# KiCad board vancouver-skytrain-pcb.kicad_pcb (continued)
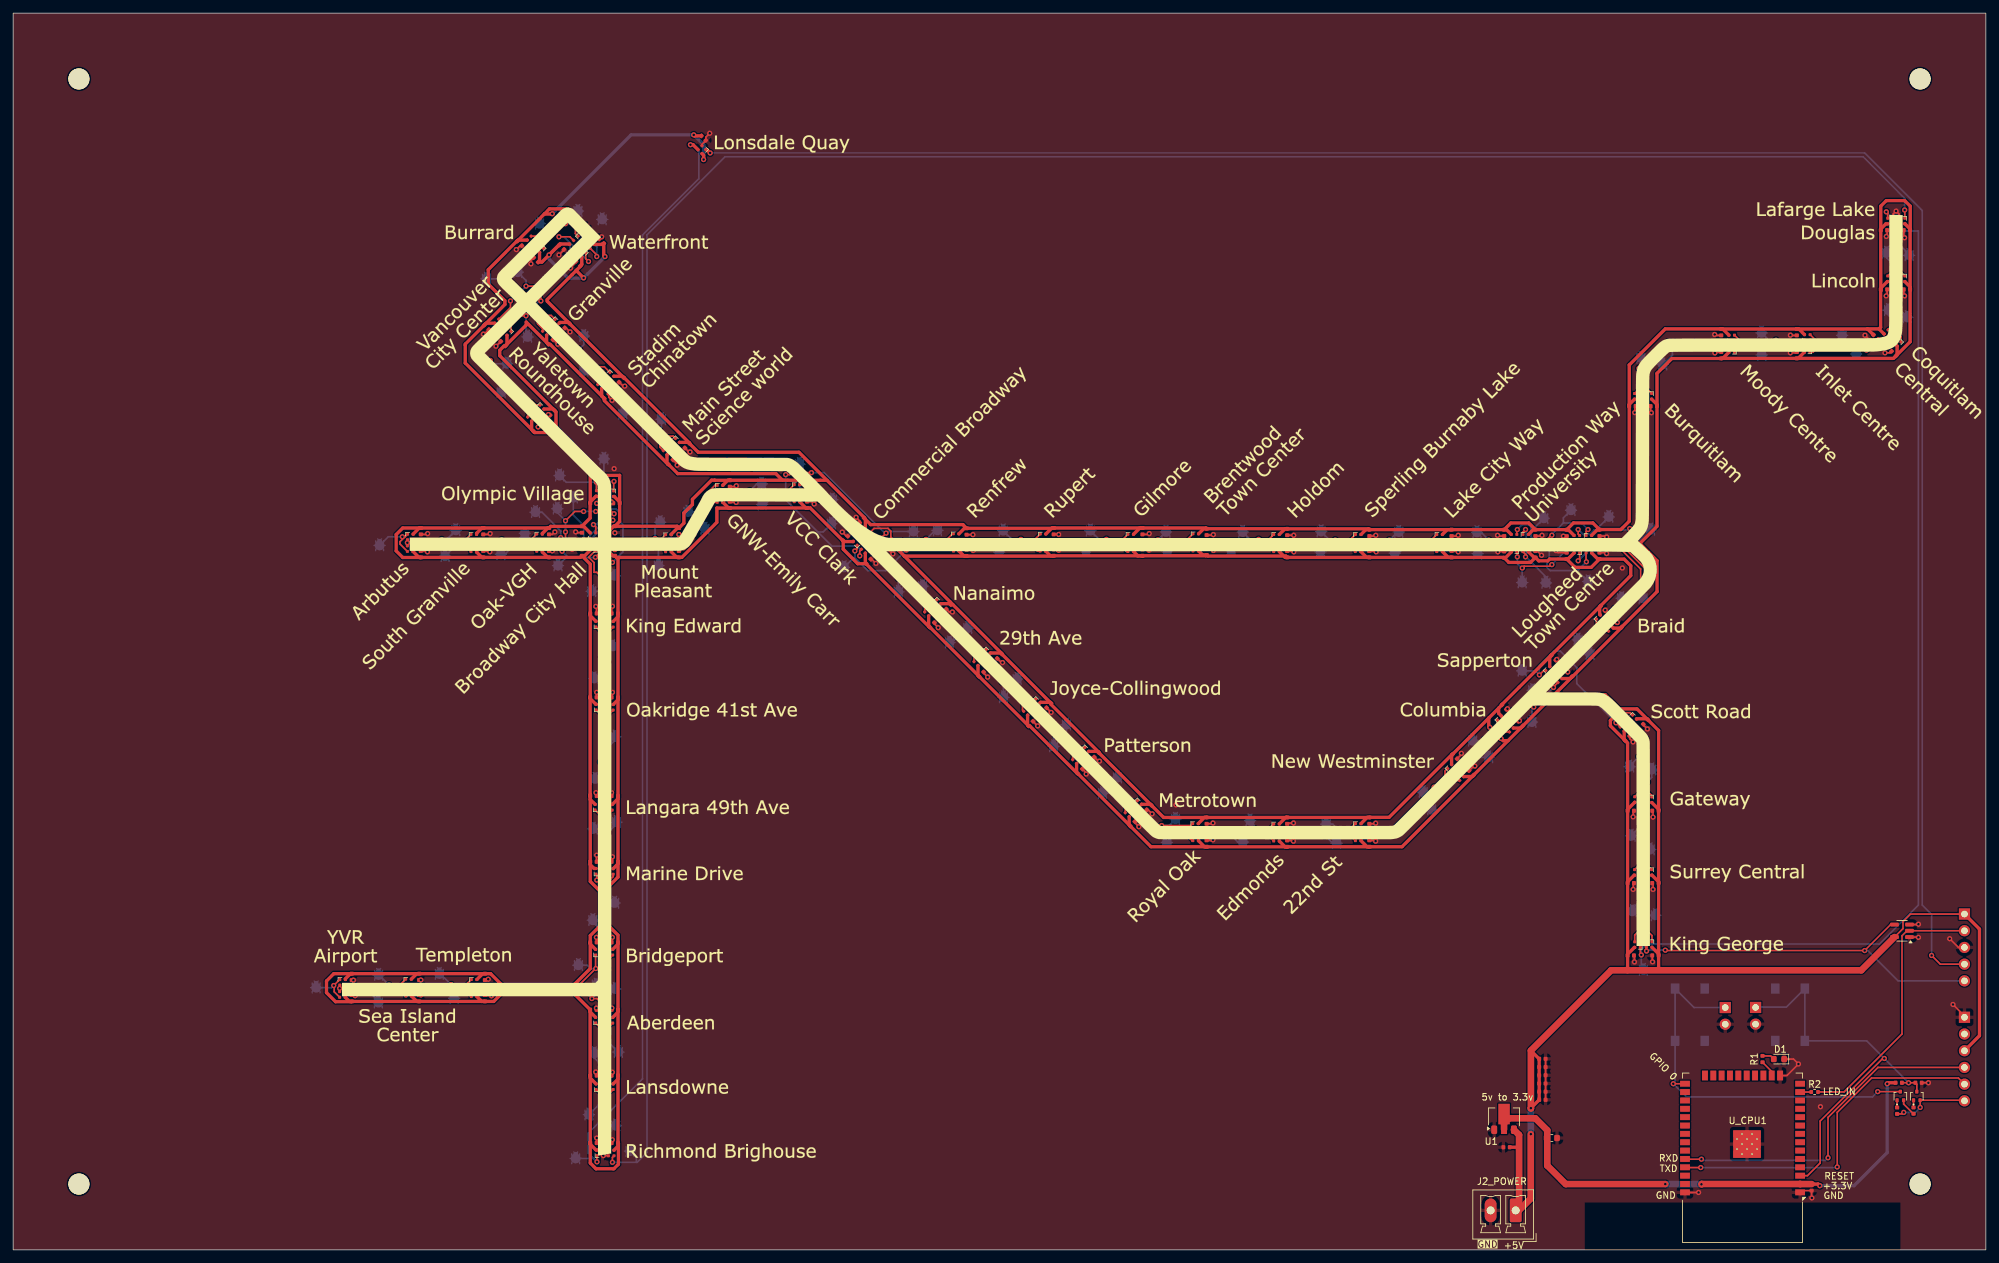
[diagram p0: board, top side]
## Routing (per net, layer and track width the routed paths; a pad name or vN(x,y) marks a point on that pad's centre or on a via; arc(x,y) is an arc through that point) (continued)
GND: length 228.3
  Top w0.25: C44.2 82.01,108.77 v1(82.38,109.14) ; LED121.3 49.65,40.22 LED120.3 ; LED52.3 273.27,137.38 LED91.3 273.58,137.35 v1(273.8,137.57) ; C73.2 158.99,108.77 v1(159,108.75) ; LED69.3 LED74.3 ; C39.2 71.64,139.2 v1(71.52,139.2) ; v1(148.2,87.07) 147.59,87.67 C15.2 ; v1(85,106.48) C75.2 ; C46.2 249.39,66.63 v1(249.39,65.78) ; C27.2 83.77,152.02 v1(83,151.25) ; LED17.3 89.7,132.8 v1(88.97,133.53) 88.97,132.91 89.5,132.39 LED24.3 ; v1(256.31,8.72) 254.27,8.72 U_CPU1.38 ; C53.2 155.11,80.34 v1(155.81,79.65) ; v1(207.21,64.86) 207.12,64.76 C60.2 ; v1(232.43,105.59) 231.8,106.22 C110.2 ; LED124.3 v1(89.75,34.5) 89.78,34.47 LED97.3 ; LED43.3 LED38.3 241.87,94.65 v1(241.75,94.77) ; LED28.3 v1(146.97,90.28) 147.35,90.65 LED13.3 ; C125.2 270.31,139.01 v1(270.28,139.05) ; C122.2 243.93,95.34 v1(243.96,95.37) ; C47.2 246.36,66.63 v1(246.36,65.82) ; LED33.3 v1(191.7,63.5) LED8.3 ; v1(248.53,79.18) 247.91,79.8 C48.2 ; v1(248.24,68.99) 248.35,68.88 LED3.3 248.32,68.88 LED46.3 ; J1-LED.3 295.83,45.97 v1(294.5,47.3) ; C92.2 91.02,16.65 v1(91.12,16.75) ; v1(165.2,74.29) 165.03,74.29 C56.2 ; C102.2 172.65,108.77 v1(172.77,108.89) ; LED105.3 79.05,127.83 v1(78.64,128.24) 78.64,127.41 LED110.3 ; C35.2 91.18,113.5 v1(90.97,113.7) ; LED127.3 104.75,168.06 C5.2 105.34,169.15 v1(105.93,169.74) ; C11.2 193.87,64.89 v1(194.71,64.89) ; U_CPU1.15 269.75,26.5 v1(271.5,28.25) 270.75,29 269.32,29 ; C63.2 91.5,109 v1(91.5,109) ; v1(242.12,97.25) 242.09,97.22 C133.2 ; v1(128.19,111.35) 128.73,110.82 C20.2 ; v1(249.31,43.78) 249.26,43.82 C138.2 ; C12.2 182.34,64.76 v1(182.46,64.89) ; C86.2 91.02,47.4 v1(91.12,47.5) ; v1(142.83,96.96) 142.35,96.96 C17.2 ; LED104.3 90.03,115.38 v1(90,115.4) LED111.3 ; LED85.3 204.1,107.47 v1(204.12,107.5) LED58.3 ; C108.2 v1(235.75,108.5) ; v1(100.98,119.28) 100.98,119.45 C69.2 ; C64.2 101.46,106.23 v1(101.93,106.71) ; v1(219.76,108.62) 219.66,108.52 C114.2 ; v1(91.05,36.75) 91.02,36.72 C88.2 ; v1(88.6,27.04) 88.73,26.9 C90.2 ; LED41.3 LED87.3 LED56.3 LED40.3 229.41,107.91 v1(229,107.5) ; 118.78,115.47 v1(118.78,115) 118.78,114.58 ; C41.2 62.91,108.77 v1(63.03,108.89) ; J3_PROGRAMING_PIN1.1 296.75,35.55 v1(295,37.3) ; v1(249.14,127.26) 249.01,127.38 C119.2 ; C96.2 61.99,41.01 v1(62,41.02) ; C31.2 87.32,155.48 C29.2 89.17,153.67 v1(89.5,154) ; C94.2 72.13,41.01 v1(72.25,41.14) ; C66.2 78.74,150.43 v1(78.74,149.9) ; v1(258.76,139.15) 258.9,139.01 C105.2 ; C136.2 246.56,44.68 v1(246.56,43.77) ; C135.2 249.39,55.63 v1(249.39,54.79) ; v1(85.54,109.14) 85.66,109.02 C61.2 ; LED63.3 142.97,107.1 LED80.3 142.8,107.28 v1(142.01,107.28) ; LED117.3 v1(90,44.82) LED98.3 ; v1(222.28,73.54) 222.11,73.54 C9.2 ; U1#2.1 289.7,47.55 v1(289.75,47.5) ; LED73.3 v1(69.62,107.5) LED70.3 ; LED47.3 LED2.3 248.2,57.8 v1(248.18,57.77) ; LED101.3 v1(89.75,82.05) 89.72,82.08 LED114.3 ; v1(69.5,39.75) 69.67,39.93 LED118.3 LED123.3 ; v1(220.24,75.48) 220.24,75.31 C49.2 ; 59.72,39.43 59.72,39.72 v1(59.7,39.75) LED119.3 ; C25.2 84.08,140.16 v1(84.69,139.55) ; v1(121.78,116.02) 121.78,116.02 C71.2 ; v1(226.42,79.45) 226.32,79.54 LED5.3 LED36.3 ; C104.2 172.62,106.48 v1(172.74,106.36) ; LED93.3 v1(286.5,148.05) LED50.3 ; LED23.3 80.48,140.9 80.48,141.55 v1(80.47,141.55) 81.15,141.55 81.82,140.88 LED18.3 ; v1(246.61,127.28) 246.61,128.13 C121.2 ; LED106.3 LED109.3 74.45,140.95 75.01,141.51 v1(75.01,141.61) ; LED92.3 285.85,139.25 LED51.3 286.1,139.62 v1(286.1,139.8) ; C28.2 85.58,150.08 v1(84.75,149.25) ; v1(88.7,47.5) 88.73,47.47 C85.2 ; v1(194.7,62.13) 194.59,62.24 C59.2 ; v1(76.52,152.06) 77.12,152.66 C26.2 ; C99.2 194.63,106.23 v1(194.75,106.11) ; LED54.3 v1(248,130.18) LED89.3 ; C58.2 182.38,62.25 v1(182.46,62.33) ; v1(140.68,94.58) 140.09,95.17 C16.2 ; v1(72.49,106.11) 72.37,106.23 C43.2 ; C91.2 88.73,16.99 v1(88.75,17) ; C93.2 72.62,38.74 v1(72.74,38.62) ; v1(182.52,108.72) 182.45,108.66 C100.2 ; C52.2 150.29,89.28 v1(150.46,89.28) ; C38.2 81.59,126.98 v1(81.4,126.98) ; LED12.3 154.92,83.12 v1(154.52,82.73) LED29.3 ; v1(131.21,104.35) 130.57,104.99 C18.2 ; v1(102.94,121.3) 102.77,121.3 C23.2 ; C109.2 242.19,108.52 v1(242.33,108.37) ; LED71.3 59.95,107.92 LED72.3 ; C98.2 51.73,41.01 v1(51.75,41) ; v1(225.78,106.11) 225.84,106.17 C113.2 ; C7.2 227.16,82.16 v1(227.25,82.25) ; v1(194.74,108.62) 194.72,108.64 C118.2 ; LED57.3 v1(216.5,107.5) LED86.3 ; LED112.3 88.95,107.56 v1(89.19,107.56) 89.55,107.2 LED75.3 89.58,107.2 LED68.3 89.55,108.15 LED103.3 ; v1(270.27,136.36) 271.13,136.36 C126.2 ; v1(88.61,97.81) 88.73,97.69 C76.2 ; v1(289.75,49.5) 289.7,49.45 U1#2.3 ; LED113.3 v1(90,94.7) 90.03,94.67 LED102.3 ; C10.2 207.08,62.25 v1(207.2,62.13) ; v1(173.21,66.28) 172.58,66.91 C13.2 ; v1(281.62,139.03) 282.26,138.39 283.58,138.39 C128.2 ; v1(238.75,107.25) 239.2,107.7 LED39.3 ; v1(238.75,107.25) 238.25,107.75 238.22,107.75 ; v1(238.75,107.25) LED42.3 ; v1(238.75,107.25) 238.3,106.8 238.22,106.8 ; LED53.3 v1(261.77,137.75) LED90.3 ; v1(163.19,72.33) 163.19,72.5 C14.2 ; v1(91.07,129.13) 90.59,129.61 C68.2 ; v1(273.54,7.89) 273.5,7.93 C2.2 272.01,9 U_CPU1.1 ; LED94.3 286.82,157.44 v1(286.35,157.91) 285.93,157.49 LED49.3 ; v1(171.19,64.32) 170.59,64.92 C57.2 ; C67.2 82.17,138.34 v1(82.84,137.67) ; v1(93,131.29) 92.77,131.29 C24.2 ; 156.18,107.08 156.18,107.47 v1(156.2,107.5) LED62.3 ; C72.2 121.45,113.75 v1(121.82,113.38) ; v1(207.22,108.62) 207.12,108.52 C116.2 ; 218.75,106.25 219.62,106.25 v1(219.76,106.11) ; v1(88.75,60) 88.73,59.99 C84.2 ; LED126.3 v1(89.75,14.32) 90.5,14.32 LED95.3 ; v1(88.63,69.5) 88.73,69.4 C81.2 ; LED19.3 v1(79.83,153.08) 79.4,153.5 79.38,153.5 ; LED82.3 v1(169.53,107.5) LED61.3 ; LED83.3 v1(179.43,107.5) LED60.3 ; v1(62,38.75) 61.98,38.74 C95.2 ; v1(72.54,108.89) 72.42,108.77 C42.2 ; v1(244.82,80.93) 245,80.75 LED45.3 245.05,80.08 LED4.3 ; v1(63,106.11) 62.88,106.23 C40.2 ; v1(126.09,109.12) 126.71,108.49 C19.2 ; C129.2 284.99,145.16 v1(284.85,145.02) ; C101.2 182.25,106.61 v1(182.54,106.32) ; 247.45,46.82 247.45,47.21 v1(247.99,47.75) 248.38,47.36 LED1.3 ; v1(106.17,114.64) 106.93,114.64 LED77.3 LED66.3 ; C21.2 133.73,105.81 v1(133.79,105.81) ; C83.2 91.02,59.24 91,59.25 91.25,59.5 91.25,59.64 v1(91.14,59.75) ; v1(82,106.25) 81.98,106.23 C45.2 ; C74.2 158.86,106.48 v1(159,106.35) ; C8.2 228.99,80.34 v1(229.07,80.43) ; C132.2 287.51,153.98 v1(287.64,153.86) ; v1(91.12,27) 91.02,26.9 C89.2 ; C130.2 287.51,145.14 v1(287.64,145.02) ; LED96.3 v1(89.75,24.38) LED125.3 ; v1(218.47,71.97) 218.75,72.25 LED6.3 219.37,71.95 LED35.3 ; LED34.3 v1(204.12,63.5) LED7.3 ; LED116.3 v1(90,57.12) 90.03,57.1 LED99.3 ; LED30.3 v1(162.05,75.45) LED11.3 ; 99.22,107.88 v1(99.22,107.5) 99.22,106.97 ; LED100.3 90.22,66.88 v1(89.75,66.88) LED115.3 ; v1(246.36,54.79) 246.36,55.63 C134.2 ; v1(234.63,106.29) 234.94,105.98 C107.2 ; C124.2 258.93,136.49 v1(258.79,136.35) ; v1(109.98,116.15) 109.84,116.02 C70.2 ; C127.2 285.43,136.36 v1(284.66,136.36) ; 233.04,29.04 233.04,22.81 ; C117.2 207.16,106.23 v1(207.28,106.11) ; v1(284.86,154.06) 284.99,154.18 C131.2 ; C6.2 245.84,77.72 v1(246.35,77.21) ; v1(157.85,81.7) 157.16,82.39 C54.2 ; C106.2 242.18,105.98 v1(242.32,105.85) ; C22.2 109.11,113.63 v1(109.95,113.63) ; v1(91.14,84.75) 91.02,84.63 C80.2 ; C62.2 v1(91.5,106.45) ; C51.2 145.86,106.44 v1(145.98,106.31) ; C87.2 88.72,36.73 v1(88.7,36.75) ; C112.2 225.84,108.52 v1(225.74,108.62) ; C34.2 73.44,137.37 v1(73.42,137.37) ; LED31.3 169.73,67.05 v1(169.96,67.29) LED10.3 ; C4.2 v1(291.26,25.4) ; LED25.3 99.08,122.49 v1(99.08,122.99) 99.88,122.99 LED16.3 ; C50.2 145.95,108.72 v1(145.96,108.72) ; C77.2 91.02,97.71 v1(91.14,97.83) ; C111.2 232.4,108.52 v1(232.5,108.62) ; C82.2 91.02,69.49 v1(91,69.5) ; C65.2 v1(101.25,108.75) ; v1(52,38.63) 51.9,38.74 C97.2 ; C78.2 88.72,84.72 v1(88.75,84.75) ; v1(233.38,86.38) 233.85,86.85 LED37.3 234.3,86.85 LED44.3 ; C33.2 234.66,89.66 v1(234.75,89.75) ; C36.2 v1(88.75,113.48) ; LED59.3 LED84.3 ; LED9.3 179.4,63.93 LED32.3 ; 139.22,97.58 139.35,97.7 v1(139.35,98.1) 139.48,98.22 LED14.3 ; LED108.3 85.85,152.85 LED21.3 v1(86.5,152.75) 86.6,152.85 LED20.3 87.15,152.85 LED107.3 86.47,152.2 LED108.3 ; v1(129.6,108.35) 129.65,108.35 LED15.3 130.25,107.75 LED26.3 129.55,107.1 LED79.3 v1(129.6,108.35)
  Bottom w0.25: v1(81.4,126.98) 81.4,126.85 81.5,126.75
  vias: v1(49.65,39.75) v1(59.95,107.5) v1(79.62,107.5) v1(79.84,125.09) v1(91.4,118.75) v1(176.84,67.65) v1(179.4,63.5) v1(191.7,107.5) v1(236.41,87.84) v1(244.72,103.65) v1(274.85,21.76)
/DTR: length 2.7
  Top w0.25: R4.1 288.98,20.68 287.5,22.16 Q1.2
/GPIO0: length 60.9
  Top w0.25: v1(252.47,25.25) U_CPU1.25 ; v1(283.55,24.05) Q1.3
  Bottom w0.25: v1(283.55,24.05) 282.75,23.25 254.47,23.25 v1(252.47,25.25) 252.74,25.52 SW_BOOTLOAD1.1 SW_BOOTLOAD1.1 255.63,36.84 J2.1
/PIN_LED_STATUS: length 2.6
  Top w0.25: R1.2 267.44,27.11 U_CPU1.16
/RESET: length 62.5
  Top w0.25: R5.1 v1(288.25,25.4) C4.1 289.5,25.18 Q2.3 ; v1(284.56,29.09) 284.32,29.09 274.8,19.57 274.8,13.2 272.88,11.28 U_CPU1.3
  Bottom w0.25: v1(288.25,25.4) 281.88,31.78 SW_RESET1.1 SW_RESET1.1 269.65,36.9 264.92,36.9
/RTS: length 11.8
  Top w0.25: v1(287.51,20.9) 287.28,20.66 R3.1 ; v1(290.01,21.65) 290.01,22.74 Q2.2 296.65,22.75 J3_PROGRAMING_PIN1.6
  Bottom w0.25: v1(287.51,20.9) 289.26,20.9 v1(290.01,21.65)
/RXD: length 52
  Top w0.25: v1(276,14) 276,20.14 283.59,27.73 J3_PROGRAMING_PIN1.4 ; v1(256.75,13.78) 254.29,13.78 U_CPU1.34
  Bottom w0.25: v1(276,14) 275.6,13.6 256.93,13.6 v1(256.75,13.78)
/TXD: length 53.4
  Top w0.25: J3_PROGRAMING_PIN1.5 295.81,26.12 282.62,26.12 277.4,20.9 v1(277.4,12.6) ; v1(256.64,12.51) 254.29,12.51 U_CPU1.35
  Bottom w0.25: v1(256.64,12.51) 256.65,12.5 277.3,12.5 v1(277.4,12.6)
LED_IN: length 41.2
  Top w0.25: J1-LED.2 288.4,48.51 U1#2.2 288,48.5 287.25,47.75 287.25,32.82 278.43,24 R2.2
LED_OUT: length 828.2
  Top w0.25: v1(247.6,44.83) 247.45,44.98 LED48.1 ; v1(287.65,158.08) 287.68,158.05 LED94.1 ; v1(284.86,157.8) 285.07,157.59 LED49.4 ; LED94.4 v1(286.82,152.84) 286.82,148.9 LED93.1 ; J1-LED.4 293.07,43.43 v1(291.75,44.75) ; v1(91.13,13.31) 91.13,14.06 LED95.4
  Top w0.5: v1(106,166.75) 105.5,167.25 LED127.1
  Bottom w0.2: v1(106,166.75) 281.56,166.75
  Bottom w0.25: 281.56,166.75 290.32,157.99 290.32,52.41 291.75,50.99 v1(291.75,44.75) ; v1(287.65,158.08) 287.65,159.85 281.32,166.18 108.25,166.18 96.39,154.31 96.39,14.8 94.9,13.31 94.78,13.31 ; TP93.1 288.33,151.34 v1(286.82,152.84) ; 94.78,13.31 94.78,14.03 TP94.1 ; 94.78,13.31 v1(91.13,13.31) ; v1(284.86,157.8) 287.77,154.89 289.74,154.89 289.74,52.41 283.82,46.49 248.43,46.49 247.6,45.66 v1(247.6,44.83) 247.6,42.86 TP48.1
LEDS_CANADA_LINE_NORTH_TO_SOUTH: length 21.4
  Top w0.25: LED110.1 81.1,124.95 81.74,124.95 88.7,118 v1(88.7,116.69) LED111.4
  Bottom w0.25: TP110.1 84.11,116.69 v1(88.7,116.69)
LEDS_EXPO_LINE_EAST_TO_WEST: length 57.1
  Top w0.25: v1(251.25,45.55) 251.3,45.5 v1(281.57,45.5) 285.52,49.45 U1#2.4 ; LED1.4 248.38,45.46 v1(248.4,45.43)
  Bottom w0.25: v1(248.4,45.43) 248.52,45.55 v1(251.25,45.55) ; v1(281.57,45.5) 282.05,45.5 286.66,40.89 J1-LED.5
LEDS_EXPO_LINE_WEST_TO_EAST: length 15.7
  Top w0.25: LED25.4 98.36,122.01 98.36,123.29 v1(94.67,126.98) LED24.1
  Bottom w0.25: v1(94.67,126.98) 94.57,127.08 TP24.1
LEDS_MILLENNIUM_LINE_WEST_TO_EAST: length 8.5
  Top w0.25: v1(59.19,108.4) 59.58,108.4 LED71.1 58.83,107.65 58.83,107.3 LED72.4
  Bottom w0.25: v1(59.19,108.4) 57.05,108.4 TP71.1
LEDS_SEA_BUS: length 168.6
  Top w0.25: LED126.1 88.78,13.39 v1(88.78,13.38)
  Top w0.5: LED127.4 103.4,168 v1(103,168)
  Bottom w0.25: v1(103,168) 103.19,168 104.28,166.91 104.28,162.83 95.71,154.27 95.71,25.99 87.46,17.74 87.46,14.7 v1(88.78,13.38) 88.27,13.89 TP126.1
Net-(D1-A): length 1.9
  Top w0.25: D1.2 267.26,29.49 R1.1
Net-(LED1-DOUT): length 12
  Top w0.25: LED1.1 249.23,47.78 248.25,48.75 248.25,56.88 LED2.4
  Bottom w0.25: v1(248.25,50.83) 249.72,50.83 TP1.1
Net-(LED2-DOUT): length 12.7
  Top w0.25: LED2.1 248.35,58.62 LED3.4
  Bottom w0.25: TP2.1 248.35,60.26 v1(248.35,58.96)
Net-(LED3-DOUT): length 14.6
  Top w0.25: LED4.4 248.5,77.88 v1(248.5,71.13) 248.5,69.75 249.2,69.05 LED3.1
  Bottom w0.25: TP3.1 249.19,71.82 v1(248.5,71.13)
Net-(LED4-DOUT): length 24.1
  Top w0.25: LED5.4 v1(229.66,83.28) 230.2,83.83 241.74,83.83 243.91,81.66 245.92,81.66 LED4.1
  Bottom w0.25: v1(229.66,83.28) 231.08,84.7 TP4.1
Net-(LED5-DOUT): length 11.9
  Top w0.25: LED5.1 225.69,80.52 225.69,79.52 v1(223.78,77.6) LED6.4
  Bottom w0.25: TP5.1 223.56,77.39 v1(223.78,77.6)
Net-(LED6-DOUT): length 19.4
  Top w0.25: LED6.1 217.75,72.78 217.75,72 v1(216.09,70.34) 209.7,63.95 LED7.4
  Bottom w0.25: v1(216.09,70.34) 215.31,69.56 TP6.1
Net-(LED7-DOUT): length 14.1
  Top w0.25: LED8.4 v1(201.49,63.9) 203.22,63.9 LED7.1
  Bottom w0.25: v1(201.49,63.9) 200.69,64.7 TP7.1
Net-(LED8-DOUT): length 13.4
  Top w0.25: LED8.1 190.9,63.95 v1(188.91,63.95) 180.22,63.95
  Bottom w0.25: v1(188.91,63.95) 188.11,64.75 TP8.1
Net-(LED10-DIN): length 12.1
  Top w0.25: LED10.4 173.57,64.5 v1(174.66,64.5) 179.07,64.5 LED9.1
  Bottom w0.25: v1(174.66,64.5) 175.77,64.5 TP9.1
Net-(LED10-DOUT): length 12.5
  Top w0.25: LED11.4 v1(166.28,71.87) 169.85,68.3 LED10.1
  Bottom w0.25: TP10.1 166.36,71.79 v1(166.28,71.87)
Net-(LED11-DOUT): length 12.4
  Top w0.25: 155.53,82.53 v1(160.45,77.6) 161.68,76.37 162.97,76.37 LED11.1
  Bottom w0.25: v1(160.45,77.6) 160.18,77.87 TP11.1
Net-(LED12-DOUT): length 12
  Top w0.25: LED12.1 154.27,83.73 v1(152.91,85.09) LED13.4
  Bottom w0.25: TP12.1 152.68,85.32 v1(152.91,85.09)
Net-(LED13-DOUT): length 11.7
  Top w0.25: LED13.1 146.85,91.25 v1(145.19,92.9) LED14.4
  Bottom w0.25: v1(145.19,92.9) 145.17,92.93 TP13.1
Net-(LED14-DOUT): length 14.8
  Top w0.25: LED14.1 140.47,98.82 139.18,98.82 v1(138.71,99.3) LED15.4
  Bottom w0.25: TP14.1 138.29,99.71 v1(138.71,99.3)
Net-(LED15-DOUT): length 43.9
  Top w0.25: v1(132.75,108.95) 132.26,108.46 130.95,108.46 LED15.1 ; v1(121.4,118.15) 119.85,118.15 117.75,120.25 102.62,120.25 LED16.4
  Bottom w0.25: TP15.1 133,109.2 v1(132.75,108.95) 132.55,108.95 123.35,118.15 v1(121.4,118.15)
Net-(LED16-DOUT): length 15.3
  Top w0.25: LED16.1 100.38,123.7 99.25,123.7 v1(98.25,124.69) LED17.4
  Bottom w0.25: v1(98.25,124.69) 98.59,125.03 TP16.1
Net-(LED17-DOUT): length 13.4
  Top w0.25: LED18.4 88.42,134.25 89.9,134.25 LED17.1
  Bottom w0.25: TP17.1 86.78,137.61 v1(86.1,136.93)
Net-(LED18-DOUT): length 19.8
  Top w0.25: 78.29,144.85 81.09,142.05 81.83,142.05 LED18.1 ; 78.29,144.85 75.25,147.89 75.25,148.05 LED19.4 ; 78.29,144.85 78.89,145.45 v1(79.12,145.45)
  Bottom w0.25: TP18.1 79.4,145.45 v1(79.12,145.45)
Net-(LED19-DOUT): length 17.3
  Top w0.25: v1(88.75,151) 88.75,151.25 LED20.4 ; v1(83.99,155.99) 83.49,155.99 v1(81.72,154.22) 80.65,153.15 LED19.1
  Bottom w0.25: TP19.1 80.05,155.9 v1(81.72,154.22) ; v1(83.99,155.99) 85.26,155.99 88.75,152.5 v1(88.75,151)
Net-(LED20-DOUT): length 0.9
  Top w0.25: LED21.4 87.75,153.45 LED20.1
Net-(LED21-DOUT): length 12.8
  Top w0.25: LED22.4 79.6,154.1 82.5,157 v1(83.63,157) 84,157 85.5,155.5 85.5,154.5 LED21.1
  Bottom w0.25: v1(83.63,157) 84.97,157 TP21.1
Net-(LED22-DOUT): length 20.3
  Top w0.25: LED22.1 74.38,148.5 v1(74.38,148.28) 74.38,148.12 79.75,142.75 79.75,140.79 80.52,140.02 LED23.4
  Bottom w0.25: v1(74.38,148.28) 73.7,147.61 TP22.1
Net-(LED23-DOUT): length 13.4
  Top w0.25: LED23.1 82.35,139.65 88.25,133.75 88.25,133 88.9,132.35 LED24.4
  Bottom w0.25: TP23.1 86.81,134.84 v1(86.28,135.37)
Net-(LED25-DOUT): length 43.9
  Top w0.25: 100.08,121.5 101.78,119.8 116.95,119.8 118.5,118.25 118.1,117.85 v1(117.48,117.85) ; v1(128.74,105.5) 128.74,106.24 LED26.4
  Bottom w0.25: v1(128.74,105.5) 128.74,106.53 128.3,106.97 124.53,106.97 122.37,109.14 ; 122.37,109.14 117.48,114.02 v1(117.48,117.85) ; 122.37,109.14 123.19,109.14 TP25.1
Net-(LED26-DOUT): length 15.1
  Top w0.25: LED26.1 v1(134.62,102.09) 138.62,98.08 LED27.4
  Bottom w0.25: v1(134.62,102.09) 134.62,102.08 TP26.1
Net-(LED27-DOUT): length 11.7
  Top w0.25: LED28.4 146.12,90.68 v1(143.62,93.17) LED27.1
  Bottom w0.25: v1(143.62,93.17) 142.77,92.32 TP27.1
Net-(LED28-DOUT): length 12.6
  Top w0.25: LED28.1 148.29,88.46 148.29,88.46 v1(150.42,86.33) 153.5,83.25 153.5,82.05 LED29.4
  Bottom w0.25: TP28.1 150.6,86.15 v1(150.42,86.33)
Net-(LED29-DOUT): length 11.8
  Top w0.25: LED29.1 v1(158.52,78.24) 161.12,75.63 LED30.4
  Bottom w0.25: TP29.1 158.23,77.95 v1(158.52,78.24)
Net-(LED30-DOUT): length 13
  Top w0.25: LED30.1 v1(167.69,69.16) 169.12,67.73 169.12,66.45
  Bottom w0.25: v1(167.69,69.16) 167.42,69.43 TP30.1
Net-(LED31-DOUT): length 12.9
  Top w0.25: LED31.1 170.33,66.42 173.5,63.25 v1(176.98,63.25) 178.25,63.25 179.3,62.2 LED32.4
  Bottom w0.25: TP31.1 175.66,61.93 v1(176.98,63.25)
Net-(LED32-DOUT): length 14.1
  Top w0.25: LED32.1 v1(185.19,63.05) 190.8,63.05 LED33.4
  Bottom w0.25: v1(185.19,63.05) 186.25,61.99 TP32.1
Net-(LED33-DOUT): length 14.2
  Top w0.25: LED34.4 203.32,63 v1(199.47,63) LED33.1
  Bottom w0.25: v1(199.47,63) 200.65,61.82 TP33.1
Net-(LED34-DOUT): length 20.4
  Top w0.25: LED35.4 218.85,71.35 v1(213.96,66.46) 210.5,63 205.03,63 LED34.1
  Bottom w0.25: TP34.1 214.44,66.94 v1(213.96,66.46)
Net-(LED35-DOUT): length 12.2
  Top w0.25: 227.55,78.72 226.22,78.72 v1(222.37,74.87) 220.05,72.55 LED35.1
  Bottom w0.25: TP35.1 222.38,74.86 v1(222.37,74.87)
Net-(LED36-DOUT): length 12.4
  Top w0.25: LED37.4 234.25,85.58 v1(234.25,85.5) ; v1(231.24,82.51) 230.13,82.51 LED36.1
  Bottom w0.25: TP36.1 230.97,82.24 v1(231.24,82.51) 231.26,82.51 v1(234.25,85.5)
Net-(LED37-DOUT): length 12.6
  Top w0.25: LED38.4 241.52,94.05 v1(237.73,90.25) LED37.1
  Bottom w0.25: TP37.1 238,90.53 v1(237.73,90.25)
Net-(LED38-DOUT): length 22.7
  Top w0.25: LED39.4 240.55,107.25 244.5,107.25 248.25,103.5 v1(248.25,101.02) 248.25,101 242.62,95.38 LED38.1
  Bottom w0.25: v1(248.25,101.02) 247.87,100.64 TP38.1
Net-(LED39-DOUT): length 14.1
  Top w0.25: v1(239.5,109.5) 239.2,109.2 LED39.1 ; LED40.4 230.47,107.89 233.15,107.89 233.89,108.64 v1(234,108.64)
  Bottom w0.25: 235.75,110.5 235.75,111.27 TP39.1 ; 235.75,110.5 234,108.75 v1(234,108.64) ; 235.75,110.5 238.5,110.5 v1(239.5,109.5)
Net-(LED40-DOUT): length 11.4
  Top w0.25: v1(230,105.35) 230,105.73 LED41.4 ; v1(229.99,109.51) 229.6,109.11 LED40.1
  Bottom w0.25: v1(229.99,109.51) 230.11,109.39 230.11,105.46 v1(230,105.35) 230.05,105.35 233.1,102.3 TP40.1
Net-(LED41-DOUT): length 16.9
  Top w0.25: LED41.1 233.01,106.98 v1(233.25,106.75) ; LED42.4 239.2,104.65 v1(239.25,104.6)
  Bottom w0.25: 237.59,103.25 233.75,103.25 233.28,103.72 233.28,104.47 233.6,104.79 233.6,106.4 v1(233.25,106.75) ; 237.59,103.25 237.9,103.25 v1(239.25,104.6) ; 237.59,103.25 237.86,103.25 TP41.1
Net-(LED42-DOUT): length 20.7
  Top w0.25: 241.97,95.9 v1(243.54,97.47) 247.5,101.42 247.5,103.5 244.2,106.8 LED42.1
  Bottom w0.25: v1(243.54,97.47) 244.62,98.55 TP42.1
Net-(LED43-DOUT): length 12.7
  Top w0.25: 234.28,88.08 v1(239.8,93.6) 240.77,94.57 LED43.1
  Bottom w0.25: v1(239.8,93.6) 238.94,92.74 TP43.1
Net-(LED44-DOUT): length 25
  Top w0.25: v1(243.75,80.13) LED45.4 ; v1(232.1,87.4) 232.78,88.08 LED44.1
  Bottom w0.25: TP44.1 231.48,88.02 v1(232.1,87.4) 232.1,88.84 234.28,91.02 235.28,91.02 237.79,88.51 237.79,86.09 v1(243.75,80.13)
Net-(LED45-DOUT): length 13.7
  Top w0.25: LED45.1 247.25,77.83 v1(247.25,74.99) 247.25,69.53 LED46.4
  Bottom w0.25: v1(247.25,74.99) 245.83,73.57 TP45.1
Net-(LED46-DOUT): length 12.6
  Top w0.25: LED46.1 247.45,58.68 LED47.4
  Bottom w0.25: v1(247.45,64.37) 246.06,62.98 TP46.1
Net-(LED47-DOUT): length 12.7
  Top w0.25: 246.6,46.82 246.6,47.85 247.5,48.75 247.5,56.88 LED47.1
  Bottom w0.25: TP47.1 246.23,51.86 v1(247.5,53.13)
Net-(LED49-DOUT): length 10.5
  Top w0.25: LED49.1 v1(285.93,149.79) 285.93,148.9 LED50.4
  Bottom w0.25: v1(285.93,149.79) 284.91,150.81 TP49.1
Net-(LED50-DOUT): length 9.5
  Top w0.25: LED51.4 285.93,140.65 v1(285.93,141.33) LED50.1
  Bottom w0.25: TP50.1 285.19,142.06 v1(285.93,141.33)
Net-(LED51-DOUT): length 15.6
  Top w0.25: 276.31,137.5 v1(276.31,137.72) ; 276.31,137.5 283.98,137.5 LED51.1 ; 276.31,137.5 274.9,137.5 LED52.4
  Bottom w0.25: TP51.1 276.86,137.72 v1(276.31,137.72)
Net-(LED52-DOUT): length 13.6
  Top w0.25: LED52.1 v1(268.08,138.28) 262.55,138.28 LED53.4
  Bottom w0.25: v1(268.08,138.28) 267.02,138.28 TP52.1
Net-(LED53-DOUT): length 21.3
  Top w0.25: LED53.1 260.88,138.25 251.5,138.25 v1(247.25,134) 247.25,130.85 LED54.4
  Bottom w0.25: v1(247.25,134) 247.55,134.3 TP53.1
Net-(LED54-DOUT): length 33.5
  Top w0.25: v1(245.85,109.65) 246.9,109.65 247.43,110.17 LED54.1 ; 238.22,108.6 238,108.83 v1(238,109.5)
  Bottom w0.25: 240.48,109.45 239.78,108.75 238.75,108.75 v1(238,109.5) ; 240.48,109.45 245.65,109.45 v1(245.85,109.65) ; 240.48,109.45 240.7,109.45 TP54.1
Net-(LED55-DOUT): length 14.3
  Top w0.25: v1(228.75,109.5) 228.68,109.42 LED56.4 ; LED55.1 234.35,107.75 v1(234.27,107.67)
  Bottom w0.25: 230.83,109.92 230.52,110.23 229.48,110.23 v1(228.75,109.5) ; 230.83,109.92 231.49,109.92 TP55.1 ; 230.83,109.92 230.83,108.42 231.79,107.46 232.93,107.46 233.15,107.67 v1(234.27,107.67)
Net-(LED56-DOUT): length 12.8
  Top w0.25: LED57.4 217.35,107.89 v1(224.42,107.89) 227.81,107.89 LED56.1
  Bottom w0.25: TP56.1 223.25,109.06 v1(224.42,107.89)
Net-(LED57-DOUT): length 13.8
  Top w0.25: LED57.1 215.65,107.89 v1(209.29,107.89) 204.98,107.89 LED58.4
  Bottom w0.25: TP57.1 210.5,109.11 v1(209.29,107.89)
Net-(LED58-DOUT): length 14.6
  Top w0.25: LED58.1 203.28,107.9 v1(201.06,107.9) LED59.4
  Bottom w0.25: v1(201.06,107.9) 200.21,107.9 TP58.1
Net-(LED59-DOUT): length 14.6
  Top w0.25: LED60.4 v1(189.4,108) 190.95,108 LED59.1
  Bottom w0.25: TP59.1 188.11,108 v1(189.4,108)
Net-(LED60-DOUT): length 11.2
  Top w0.25: LED61.4 v1(174.08,107.92) 178.5,107.92 LED60.1
  Bottom w0.25: v1(174.08,107.92) 175.28,109.13 TP60.1
Net-(LED61-DOUT): length 15.8
  Top w0.25: LED62.4 157.07,108 v1(166.26,108) 168.75,108 169.53,108.78
  Bottom w0.25: TP61.1 165.15,108 v1(166.26,108)
Net-(LED62-DOUT): length 16
  Top w0.25: LED62.1 155.38,108 v1(153.25,108) 143.82,108
  Bottom w0.25: v1(153.25,108) 151.89,108 TP62.1
Net-(LED63-DOUT): length 17
  Top w0.25: LED63.1 142.85,108.85 142,108 v1(138.83,108) 133.81,108 133.47,108.34 133.47,109.25 133.05,109.68 130.92,109.68 LED64.4
  Bottom w0.25: v1(138.83,108) 140.2,109.37 TP63.1
Net-(LED64-DOUT): length 14.3
  Top w0.25: LED65.4 120.07,115.03 122.93,115.03 v1(125.69,112.26) LED64.1
  Bottom w0.25: v1(125.69,112.26) 124.58,113.37 TP64.1
Net-(LED65-DOUT): length 13.5
  Top w0.25: 118.78,116.33 117.82,115.38 v1(112.02,115.38) LED66.4
  Bottom w0.25: TP65.1 113.08,116.44 v1(112.02,115.38)
Net-(LED66-DOUT): length 13.9
  Top w0.25: LED66.1 106.72,116.22 105.44,114.94 105.44,114.23 104.3,113.09 104.3,111.69 103.05,110.44 103.05,109.3 101.78,108.03 100.22,108.03 LED67.4
  Bottom w0.25: TP66.1 103.81,112.18 v1(104.03,111.97)
Net-(LED67-DOUT): length 11.8
  Top w0.25: 99.22,108.72 98.62,108.12 v1(97.62,108.12) LED68.4
  Bottom w0.25: TP67.1 97.62,109.82 v1(97.62,108.12)
Net-(LED68-DOUT): length 21.4
  Top w0.25: LED69.4 82.98,107.97 v1(83.28,108.28) ; v1(91.2,110.92) 89.58,109.29 LED68.1
  Bottom w0.25: TP68.1 80.41,112.13 83.28,109.27 v1(83.28,108.28) 83.32,108.23 85.47,108.23 86.45,107.25 87.07,107.25 90.74,110.92 v1(91.2,110.92)
Net-(LED69-DOUT): length 13.4
  Top w0.25: LED70.4 v1(74.32,107.92) 78.72,107.92 LED69.1
  Bottom w0.25: v1(74.32,107.92) 76.81,107.92 TP69.1
Net-(LED70-DOUT): length 11.9
  Top w0.25: LED71.4 v1(65.18,107.95) 68.8,107.95 69.62,108.78
  Bottom w0.25: v1(65.18,107.95) 65.88,107.95 TP70.1
Net-(LED72-DOUT): length 11.9
  Top w0.25: LED72.1 v1(67.76,107.03) 68.75,107.03 LED73.4
  Bottom w0.25: TP72.1 67.27,107.03 v1(67.76,107.03)
Net-(LED73-DOUT): length 11.9
  Top w0.25: LED73.1 v1(76.06,107) 78.83,107 LED74.4
  Bottom w0.25: TP73.1 74.8,105.74 v1(76.06,107)
Net-(LED74-DOUT): length 12.6
  Top w0.25: v1(88.56,105.28) 88.56,105.33 LED75.4 ; LED74.1 82.7,107.05 82.78,106.97 82.78,106.92 v1(83.48,106.21)
  Bottom w0.25: v1(88.56,105.28) 88.51,105.24 84.63,105.24 ; 84.63,105.24 84.45,105.24 v1(83.48,106.21) ; 84.63,105.24 84.09,105.24 TP74.1
Net-(LED75-DOUT): length 12.4
  Top w0.25: 99.22,106.12 v1(98.25,107.1) 98.17,107.17 LED75.1
  Bottom w0.25: v1(98.25,107.1) 98.13,106.98 TP75.1
Net-(LED76-DOUT): length 13.3
  Top w0.25: LED76.1 100.67,107.58 101.96,107.58 103.5,109.11 103.5,110.25 104.75,111.5 104.75,112.9 105.5,113.65 LED77.4
  Bottom w0.25: v1(103.52,108.75) 104.39,109.61 TP76.1
Net-(LED77-DOUT): length 13.3
  Top w0.25: 118.78,113.72 118,114.5 v1(115.54,114.5) LED77.1
  Bottom w0.25: v1(115.54,114.5) 114.34,113.3 TP77.1
Net-(LED78-DOUT): length 18.8
  Top w0.25: LED79.4 v1(122.71,113.94) 122.08,114.58 LED78.1
  Bottom w0.25: v1(122.71,113.94) 122.08,114.58 121.03,114.58 119.56,116.05 TP78.1
Net-(LED79-DOUT): length 22.7
  Top w0.25: v1(135.82,106.38) 135.88,106.38 136.25,106.75 141.51,106.75 141.71,106.55 142.67,106.55 143,106.22 ; v1(128,106.25) 128.35,106.6 LED79.1
  Bottom w0.25: v1(135.82,106.38) 132.69,103.25 129.97,103.25 128,105.22 v1(128,106.25) 128,105.37 TP79.1
Net-(LED80-DOUT): length 14.5
  Top w0.25: LED80.1 v1(151.41,107.08) 154.93,107.08 155.78,106.22 156.18,106.22
  Bottom w0.25: v1(151.41,107.08) 150.41,106.07 TP80.1
Net-(LED81-DOUT): length 15.4
  Top w0.25: LED81.1 157.06,107.11 v1(165.35,107.11) 168.4,107.11 169.32,106.17 LED82.4
  Bottom w0.25: v1(165.35,107.11) 163.99,107.11 TP81.1
Net-(LED82-DOUT): length 11.3
  Top w0.25: LED83.4 178.57,107.11 v1(177.02,107.11) 170.46,107.11 LED82.1
  Bottom w0.25: TP82.1 176.13,106.22 v1(177.02,107.11)
Net-(LED83-DOUT): length 14
  Top w0.25: LED84.4 191.7,106.16 190.61,107.25 v1(186.98,107.25) 180.43,107.25 LED83.1
  Bottom w0.25: v1(186.98,107.25) 186.08,106.35 TP83.1
Net-(LED84-DOUT): length 14.8
  Top w0.25: LED85.4 204.1,106.16 203.26,107 v1(196.34,107) LED84.1
  Bottom w0.25: TP84.1 198.81,106.14 197.95,107 v1(196.34,107)
Net-(LED85-DOUT): length 14
  Top w0.25: LED86.4 215.65,107 v1(211.72,107) LED85.1
  Bottom w0.25: v1(211.72,107) 210.63,105.91 TP85.1
Net-(LED86-DOUT): length 12.9
  Top w0.25: LED87.4 227.81,107 v1(221.18,107) LED86.1
  Bottom w0.25: v1(221.18,107) 221.74,107 222.92,105.82 TP86.1
Net-(LED87-DOUT): length 14.6
  Top w0.25: v1(236.25,106.88) 236.33,106.8 LED88.4 ; v1(229.5,103.65) 229.77,103.92 233.76,103.92 v1(234,104.17) ; v1(228.75,105.35) 228.75,106.06 LED87.1
  Bottom w0.25: v1(236.25,106.88) 236.25,106.42 v1(234,104.17) ; TP87.1 229.49,103.64 v1(229.5,103.65) 229.41,103.65 228.75,104.31 v1(228.75,105.35)
Net-(LED88-DOUT): length 37.9
  Top w0.25: 238.22,105.95 238.22,104.97 v1(238,104.75) ; LED89.4 248,129 248,109.75 246.25,108 246.25,107.5 246.65,107.1 v1(246.65,106.94)
  Bottom w0.25: TP88.1 246.65,107.1 v1(246.65,106.94) 246.44,107.14 240.39,107.14 v1(238,104.75)
Net-(LED89-DOUT): length 21.6
  Top w0.25: LED89.1 248.25,131.1 248.25,134 251.55,137.3 v1(252.34,137.3) LED90.4
  Bottom w0.25: TP89.1 252.34,136.04 v1(252.34,137.3)
Net-(LED90-DOUT): length 13.7
  Top w0.25: LED90.1 262.68,137.35 v1(263.73,137.35) LED91.4
  Bottom w0.25: TP90.1 264.6,137.35 v1(263.73,137.35)
Net-(LED91-DOUT): length 15.8
  Top w0.25: LED92.4 285.25,138 284.25,137 282.52,137 ; 282.52,137 282.06,137 v1(281.84,136.78) ; 282.52,137 274.25,137 273.75,136.5 LED91.1
  Bottom w0.25: v1(281.84,136.78) 280.88,136.78 TP91.1
Net-(LED92-DOUT): length 11.8
  Top w0.25: LED93.4 v1(286.82,143.77) 286.82,139.05 287.1,138.78 LED92.1
  Bottom w0.25: TP92.1 286.82,143 v1(286.82,143.77)
Net-(LED95-DOUT): length 11.1
  Top w0.25: LED95.1 90.39,15.28 v1(90.39,18.3) 90.39,23.52 LED96.4
  Bottom w0.25: TP95.1 90.97,18.88 v1(90.39,18.3)
Net-(LED96-DOUT): length 12.5
  Top w0.25: LED97.4 90.39,33.69 v1(90.39,32.33) 90.39,25.23 90.4,25.22
  Bottom w0.25: TP96.1 90.39,31.71 v1(90.39,32.33)
Net-(LED97-DOUT): length 13.6
  Top w0.25: 90.33,35.32 v1(90.33,42.88) 90.33,43.97 LED98.4
  Bottom w0.25: v1(90.33,42.88) 90.33,40.88 TP97.1
Net-(LED98-DOUT): length 12.1
  Top w0.25: LED99.4 91.25,56.75 89.94,55.44 89.94,49.07 90.33,48.68 LED98.1
Net-(LED100-DIN): length 11.3
  Top w0.25: LED99.1 90.39,57.96 90.39,66.15 LED100.4
  Bottom w0.25: v1(90.49,63.47) 91.74,64.72 TP99.1
Net-(LED100-DOUT): length 17.1
  Top w0.25: LED100.1 v1(90.25,76.21) 90.25,81.05 LED101.4
  Bottom w0.25: v1(90.25,76.21) 91.57,77.53 TP100.1
Net-(LED101-DOUT): length 14.9
  Top w0.25: LED102.4 91.25,94.68 90.39,93.83 v1(90.39,89.34) 90.39,82.91 LED101.1
  Bottom w0.25: v1(90.39,89.34) 90.39,90.95 TP101.1
Net-(LED102-DOUT): length 28.2
  Top w0.25: v1(91.14,104.5) 90.75,104.5 90.25,104 v1(90.25,99.47) 90.25,95.67 LED102.1 ; v1(88.25,110.25) 88.6,109.9 LED103.4
  Bottom w0.25: v1(91.14,104.5) 92.73,106.09 92.73,110.25 92.11,110.87 92.11,112.2 91.69,112.63 91.09,112.63 88.71,110.25 v1(88.25,110.25) ; v1(90.25,99.47) 90.25,101.25 TP102.1
Net-(LED103-DOUT): length 17.6
  Top w0.25: LED104.4 90.25,114.3 90.25,113 91.35,111.9 v1(91.39,111.9) ; v1(86.75,107.97) 86.93,108.15 LED103.1
  Bottom w0.25: v1(91.39,111.9) 91.04,111.9 87.11,107.97 v1(86.75,107.97) 86.75,110.14 85.19,111.7 TP103.1
Net-(LED104-DOUT): length 19.9
  Top w0.25: v1(91.37,116.82) 91.33,116.78 LED104.1 ; v1(81.71,125.68) 81.67,125.68 LED105.4
  Bottom w0.25: v1(91.37,116.82) 90.57,116.82 89.97,117.41 ; 89.97,117.41 89.84,117.55 TP104.1 ; 89.97,117.41 v1(81.71,125.68)
Net-(LED105-DOUT): length 19.9
  Top w0.25: LED106.4 74.12,139.62 71.25,136.75 71.25,136.13 78.42,128.96 78.94,128.96 79.36,128.54 79.36,128.43 LED105.1
  Bottom w0.25: v1(72.56,135.2) 73.07,134.7 TP105.1
Net-(LED106-DOUT): length 20.7
  Top w0.25: v1(78,142) 76.5,142 75.5,141 75.7,140.8 LED106.1 ; LED107.4 85.87,151.44 80.25,145.81 v1(80.25,144.25)
  Bottom w0.25: v1(80.25,144.25) 80,144.25 78,142.25 v1(78,142) 78,139.01 TP106.1
Net-(LED107-DOUT): length 12.2
  Top w0.25: LED107.1 87.08,150.67 v1(87.5,150.25) ; v1(83,154) 84.68,154 LED108.4
  Bottom w0.25: TP107.1 84.71,150.96 84.71,153.04 ; v1(83,154) 83.75,154 84.71,153.04 ; v1(87.5,150.25) 84.71,153.04
Net-(LED108-DOUT): length 19.1
  Top w0.25: v1(75.63,144.25) 75.63,143.26 LED109.4 ; v1(78,146.5) 79.48,146.5 LED108.1
  Bottom w0.25: TP108.1 78,147.36 v1(78,146.5) 75.75,144.25 v1(75.63,144.25)
Net-(LED109-DOUT): length 20.8
  Top w0.25: LED109.1 70.25,136.68 70.25,136.49 77.91,128.83 77.91,127.94 78.19,127.66 78.19,127.23 78.25,127.17 LED110.4
  Bottom w0.25: v1(76.4,129.95) 76,130.35 TP109.1
Net-(LED111-DOUT): length 17.9
  Top w0.25: v1(84,110.83) 85.42,112.25 v1(86.75,112.25) ; LED111.1 89.8,114.3 89.8,112.8 89.25,112.25 v1(88.6,112.25) ; v1(84,109.14) 84,107.75 84.5,107.25 87.65,107.25 87.72,107.17
  Bottom w0.25: v1(86.75,112.25) v1(88.6,112.25) ; v1(84,109.14) v1(84,110.83) 82.75,112.08 TP111.1
Net-(LED112-DOUT): length 13.9
  Top w0.25: LED112.1 87.53,105.28 88.34,104.47 88.34,103 88.75,103 89.47,102.28 v1(89.47,100.49) LED113.4
  Bottom w0.25: TP112.1 89.09,100.11 v1(89.47,100.49)
Net-(LED113-DOUT): length 15.9
  Top w0.25: LED114.4 v1(89.5,90.17) 89.5,93.83 LED113.1
  Bottom w0.25: v1(89.5,90.17) 89.5,88.01 TP113.1
Net-(LED114-DOUT): length 17.6
  Top w0.25: LED114.1 89.36,81.37 v1(89.36,74.16) 89.36,67.73 89.35,67.72
  Bottom w0.25: v1(89.36,74.16) 89.36,72.42 TP114.1
Net-(LED115-DOUT): length 12.4
  Top w0.25: LED116.4 89.77,58.27 89.77,65.61 LED115.1
  Bottom w0.25: TP115.1 89.67,62.55 v1(89.67,61.75)
Net-(LED116-DOUT): length 14.3
  Top w0.25: LED116.1 88.76,56.99 v1(88.76,56.21) ; v1(89.59,48.39) 89.42,48.23 LED117.4
  Bottom w0.25: TP116.1 88.16,49.82 v1(89.59,48.39) 89.66,48.46 89.66,55.31 v1(88.76,56.21)
Net-(LED117-DOUT): length 24.7
  Top w0.25: LED117.1 88.58,42.76 85.42,39.6 74.17,39.6 73.38,40.4 70.67,40.4 LED118.4
  Bottom w0.25: TP117.1 87.31,43.27 87.82,42.76 v1(88.61,42.76)
Net-(LED118-DOUT): length 11.9
  Top w0.25: LED118.1 68.88,40.3 v1(66.62,40.3) LED119.4
  Bottom w0.25: v1(66.62,40.3) 64.99,41.93 TP118.1
Net-(LED119-DOUT): length 11.8
  Top w0.25: LED119.1 58.8,40.25 v1(57.17,40.25) LED120.4
  Bottom w0.25: v1(57.17,40.25) 55.64,41.78 TP119.1
Net-(LED120-DOUT): length 6.5
  Top w0.25: 49.44,40.87 LED120.1 48.83,40.25 48.83,39.22 LED121.4
  Bottom w0.25: TP120.1 48.43,39.86 v1(48.75,40.18)
Net-(LED121-DOUT): length 12
  Top w0.25: 59.72,38.57 58.94,39.35 v1(54.01,39.35) 50.6,39.35 LED121.1
  Bottom w0.25: TP121.1 55.54,37.82 v1(54.01,39.35)
Net-(LED122-DOUT): length 12.1
  Top w0.25: LED123.4 68.67,39.5 v1(65.01,39.5) 60.65,39.5 LED122.1
  Bottom w0.25: v1(65.01,39.5) 65.82,39.5 TP122.1
Net-(LED123-DOUT): length 24.5
  Top w0.25: LED124.4 89.42,37.56 88.78,38.2 v1(88.01,38.2) ; v1(71.43,39.67) 71.11,39.35 LED123.1
  Bottom w0.25: v1(71.43,39.67) 86.54,39.67 v1(88.01,38.2) 88.68,38.87 TP123.1
Net-(LED124-DOUT): length 11.9
  Top w0.25: 89.5,25.22 v1(89.5,28.05) 89.5,33.57 LED124.1
  Bottom w0.25: v1(89.5,28.05) 88.38,29.17 TP124.1
Net-(LED125-DOUT): length 12.7
  Top w0.25: LED125.1 89.62,23.4 v1(89.62,22.37) LED126.4
  Bottom w0.25: TP125.1 89,21.99 89.63,21.99 89.63,22.37 v1(89.62,22.37)
Net-(Q1-B): length 1.1
  Top w0.25: Q1.1 R3.2
Net-(Q2-B): length 1.1
  Top w0.25: Q2.1 R4.2
Net-(U_CPU1-IO14): length 1.7
  Top w0.25: U_CPU1.13 273.43,23.98 R2.1

## Copper pours and planes (outline as drawn; the poured copper is in the pictures)
GND on Top, Bottom: 302.97,190.97 302.36,-2.9 -7.36,-8.4 -5.12,195.11 303.5,192.58

## Text on the board
B.Silkscreen: NC | GND | +5V | JLCJLCJLCJLC | RTS | RXD | LED_IN | TXD | LED_OUT | Author: Steven Smethurst @funvill / Version: 2024-Mar-25 / https://github.com/funvill/vancouver-skytrain-pcb / Choo Choo
F.Silkscreen: GND | 5v to 3.3v | +5V | RXD | TXD | LED_IN | +3.3V | RESET | GPIO 0
